# KiCad board JL-rev1.kicad_pcb (continued)
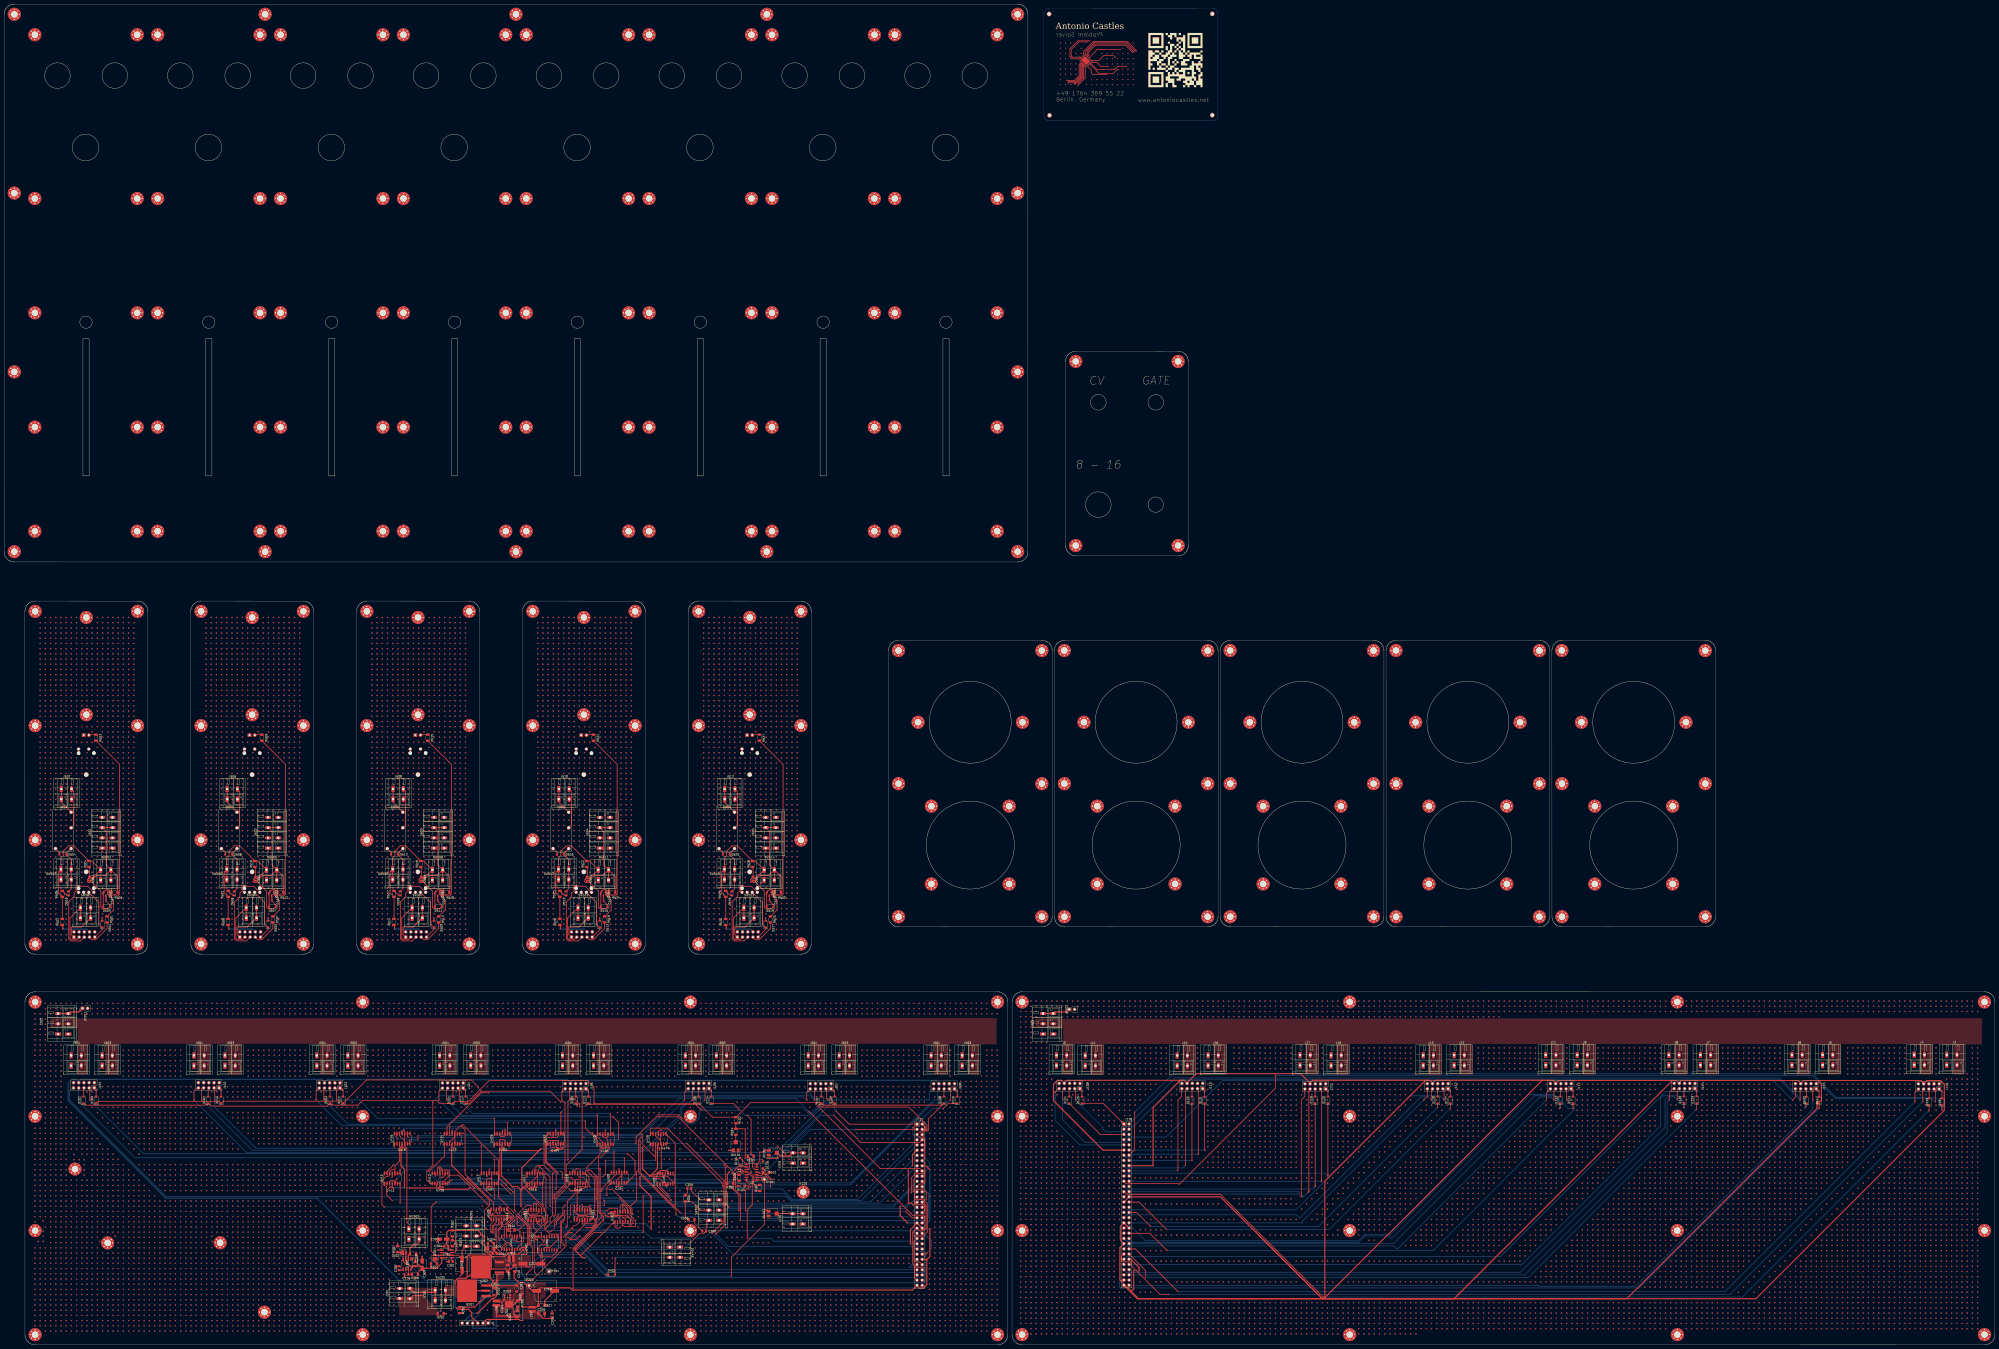
[diagram p0: board, top side]
## Routing (per net, layer and track width the routed paths; a pad name or vN(x,y) marks a point on that pad's centre or on a via; arc(x,y) is an arc through that point) (continued)
 v4(565.02,165.41) v4(565.02,162.87) v4(565.02,160.33) v4(565.02,145.09) v4(565.02,142.55) v4(565.02,140.01) v4(565.02,137.47) v4(565.02,134.93) v4(565.02,132.39) v4(565.02,117.15) v4(565.02,114.61) v4(565.02,112.07) v4(565.02,109.53) v4(565.02,106.99) v4(565.02,104.45) v4(565.02,99.37) v4(565.02,96.83) v4(565.02,91.75) v4(565.02,81.59) v4(565.02,68.89) v4(565.02,61.27) v4(565.02,56.19) v4(565.02,53.65) v4(565.02,46.03) v4(565.02,40.95) v4(565.02,30.79) v4(565.02,20.63) v4(565.02,18.09) v4(565.02,15.55) v4(565.02,13.01) v4(565.02,10.47) v4(565.02,7.93) v4(565.02,5.39) v4(567.56,167.95) v4(567.56,165.41) v4(567.56,162.87) v4(567.56,160.33) v4(567.56,145.09) v4(567.56,142.55) v4(567.56,140.01) v4(567.56,137.47) v4(567.56,134.93) v4(567.56,132.39) v4(567.56,119.69) v4(567.56,117.15) v4(567.56,114.61) v4(567.56,112.07) v4(567.56,109.53) v4(567.56,106.99) v4(567.56,104.45) v4(567.56,99.37) v4(567.56,96.83) v4(567.56,91.75) v4(567.56,81.59) v4(567.56,68.89) v4(567.56,61.27) v4(567.56,53.65) v4(567.56,40.95) v4(567.56,20.63) v4(567.56,18.09) v4(567.56,15.55) v4(567.56,13.01) v4(567.56,10.47) v4(567.56,7.93) v4(567.56,5.39) v4(570.1,167.95) v4(570.1,165.41) v4(570.1,162.87) v4(570.1,160.33) v4(570.1,122.23) v4(570.1,119.69) v4(570.1,117.15) v4(570.1,114.61) v4(570.1,112.07) v4(570.1,109.53) v4(570.1,106.99) v4(570.1,101.91) v4(570.1,99.37) v4(570.1,96.83) v4(570.1,91.75) v4(570.1,81.59) v4(570.1,68.89) v4(570.1,61.27) v4(570.1,53.65) v4(570.1,40.95) v4(570.1,20.63) v4(570.1,18.09) v4(570.1,15.55) v4(570.1,13.01) v4(570.1,10.47) v4(570.1,7.93) v4(570.1,5.39) v4(572.64,167.95) v4(572.64,165.41) v4(572.64,162.87) v4(572.64,160.33) v4(572.64,124.77) v4(572.64,122.23) v4(572.64,81.59) v4(572.64,68.89) v4(572.64,61.27) v4(572.64,53.65) v4(572.64,40.95) v4(572.64,30.79) v4(572.64,20.63) v4(572.64,18.09) v4(572.64,15.55) v4(572.64,13.01) v4(572.64,10.47) v4(572.64,7.93) v4(572.64,5.39) v4(575.18,167.95) v4(575.18,165.41) v4(575.18,162.87) v4(575.18,160.33) v4(575.18,117.15) v4(575.18,114.61) v4(575.18,112.07) v4(575.18,106.99) v4(575.18,104.45) v4(575.18,101.91) v4(575.18,99.37) v4(575.18,96.83) v4(575.18,91.75) v4(575.18,68.89) v4(575.18,61.27) v4(575.18,53.65) v4(575.18,40.95) v4(575.18,30.79) v4(575.18,20.63) v4(575.18,18.09) v4(575.18,15.55) v4(575.18,13.01) v4(575.18,10.47) v4(575.18,7.93) v4(575.18,5.39) v4(577.72,167.95) v4(577.72,165.41) v4(577.72,162.87) v4(577.72,160.33) v4(577.72,68.89) v4(577.72,61.27) v4(577.72,53.65) v4(577.72,40.95) v4(577.72,30.79) v4(577.72,20.63) v4(577.72,18.09) v4(577.72,15.55) v4(577.72,13.01) v4(577.72,10.47) v4(577.72,7.93) v4(577.72,5.39) v4(580.26,167.95) v4(580.26,165.41) v4(580.26,162.87) v4(580.26,160.33) v4(580.26,119.69) v4(580.26,81.59) v4(580.26,68.89) v4(580.26,61.27) v4(580.26,53.65) v4(580.26,40.95) v4(580.26,30.79) v4(580.26,20.63) v4(580.26,18.09) v4(580.26,15.55) v4(580.26,13.01) v4(580.26,10.47) v4(580.26,7.93) v4(580.26,5.39) v4(582.8,167.95) v4(582.8,165.41) v4(582.8,162.87) v4(582.8,160.33) v4(582.8,145.09) v4(582.8,142.55) v4(582.8,140.01) v4(582.8,137.47) v4(582.8,134.93) v4(582.8,81.59) v4(582.8,68.89) v4(582.8,61.27) v4(582.8,53.65) v4(582.8,40.95) v4(582.8,30.79) v4(582.8,20.63) v4(582.8,18.09) v4(582.8,15.55) v4(582.8,13.01) v4(582.8,10.47) v4(582.8,7.93) v4(582.8,5.39) v4(585.34,167.95) v4(585.34,165.41) v4(585.34,162.87) v4(585.34,160.33) v4(585.34,86.67) v4(585.34,81.59) v4(585.34,68.89) v4(585.34,61.27) v4(585.34,53.65) v4(585.34,40.95) v4(585.34,30.79) v4(585.34,20.63) v4(585.34,18.09) v4(585.34,15.55) v4(585.34,13.01) v4(585.34,10.47) v4(585.34,7.93) v4(585.34,5.39) v4(587.88,167.95) v4(587.88,165.41) v4(587.88,162.87) v4(587.88,160.33) v4(587.88,127.31) v4(587.88,124.77) v4(587.88,119.69) v4(587.88,117.15) v4(587.88,114.61) v4(587.88,112.07) v4(587.88,109.53) v4(587.88,106.99) v4(587.88,104.45) v4(587.88,101.91) v4(587.88,99.37) v4(587.88,96.83) v4(587.88,89.21) v4(587.88,86.67) v4(587.88,81.59) v4(587.88,68.89) v4(587.88,61.27) v4(587.88,53.65) v4(587.88,40.95) v4(587.88,30.79) v4(587.88,20.63) v4(587.88,18.09) v4(587.88,15.55) v4(587.88,13.01) v4(587.88,10.47) v4(587.88,7.93) v4(587.88,5.39) v4(590.42,167.95) v4(590.42,165.41) v4(590.42,162.87) v4(590.42,160.33) v4(590.42,127.31) v4(590.42,122.23) v4(590.42,119.69) v4(590.42,117.15) v4(590.42,114.61) v4(590.42,112.07) v4(590.42,109.53) v4(590.42,106.99) v4(590.42,104.45) v4(590.42,101.91) v4(590.42,99.37) v4(590.42,91.75) v4(590.42,89.21) v4(590.42,86.67) v4(590.42,81.59) v4(590.42,68.89) v4(590.42,61.27) v4(590.42,53.65) v4(590.42,40.95) v4(590.42,30.79) v4(590.42,20.63) v4(590.42,18.09) v4(590.42,15.55) v4(590.42,13.01) v4(590.42,10.47) v4(590.42,7.93) v4(590.42,5.39) v4(592.96,167.95) v4(592.96,165.41) v4(592.96,162.87) v4(592.96,160.33) v4(592.96,124.77) v4(592.96,122.23) v4(592.96,119.69) v4(592.96,117.15) v4(592.96,114.61) v4(592.96,112.07) v4(592.96,109.53) v4(592.96,106.99) v4(592.96,104.45) v4(592.96,101.91) v4(592.96,94.29) v4(592.96,91.75) v4(592.96,89.21) v4(592.96,86.67) v4(592.96,81.59) v4(592.96,68.89) v4(592.96,61.27) v4(592.96,53.65) v4(592.96,40.95) v4(592.96,30.79) v4(592.96,20.63) v4(592.96,18.09) v4(592.96,15.55) v4(592.96,13.01) v4(592.96,10.47) v4(592.96,7.93) v4(592.96,5.39) v4(595.5,167.95) v4(595.5,165.41) v4(595.5,162.87) v4(595.5,160.33) v4(595.5,127.31) v4(595.5,124.77) v4(595.5,122.23) v4(595.5,119.69) v4(595.5,117.15) v4(595.5,114.61) v4(595.5,112.07) v4(595.5,109.53) v4(595.5,106.99) v4(595.5,104.45) v4(595.5,96.83) v4(595.5,94.29) v4(595.5,91.75) v4(595.5,89.21) v4(595.5,86.67) v4(595.5,81.59) v4(595.5,61.27) v4(595.5,53.65) v4(595.5,40.95) v4(595.5,30.79) v4(595.5,20.63) v4(595.5,18.09) v4(595.5,15.55) v4(595.5,13.01) v4(595.5,10.47) v4(595.5,7.93) v4(595.5,5.39) v4(598.04,167.95) v4(598.04,165.41) v4(598.04,162.87) v4(598.04,160.33) v4(598.04,127.31) v4(598.04,124.77) v4(598.04,122.23) v4(598.04,119.69) v4(598.04,117.15) v4(598.04,114.61) v4(598.04,112.07) v4(598.04,109.53) v4(598.04,106.99) v4(598.04,99.37) v4(598.04,96.83) v4(598.04,94.29) v4(598.04,91.75) v4(598.04,89.21) v4(598.04,86.67) v4(598.04,81.59) v4(598.04,61.27) v4(598.04,53.65) v4(598.04,40.95) v4(598.04,30.79) v4(598.04,20.63) v4(598.04,18.09) v4(598.04,15.55) v4(598.04,13.01) v4(598.04,10.47) v4(598.04,7.93) v4(598.04,5.39) v4(600.58,167.95) v4(600.58,165.41) v4(600.58,162.87) v4(600.58,160.33) v4(600.58,145.09) v4(600.58,142.55) v4(600.58,140.01) v4(600.58,137.47) v4(600.58,134.93) v4(600.58,127.31) v4(600.58,124.77) v4(600.58,122.23) v4(600.58,119.69) v4(600.58,117.15) v4(600.58,114.61) v4(600.58,112.07) v4(600.58,109.53) v4(600.58,101.91) v4(600.58,99.37) v4(600.58,96.83) v4(600.58,94.29) v4(600.58,91.75) v4(600.58,89.21) v4(600.58,86.67) v4(600.58,81.59) v4(600.58,71.43) v4(600.58,61.27) v4(600.58,53.65) v4(600.58,40.95) v4(600.58,30.79) v4(600.58,20.63) v4(600.58,18.09) v4(600.58,15.55) v4(600.58,13.01) v4(600.58,10.47) v4(600.58,7.93) v4(600.58,5.39) v4(603.12,167.95) v4(603.12,165.41) v4(603.12,162.87) v4(603.12,160.33) v4(603.12,145.09) v4(603.12,142.55) v4(603.12,140.01) v4(603.12,137.47) v4(603.12,134.93) v4(603.12,127.31) v4(603.12,124.77) v4(603.12,122.23) v4(603.12,119.69) v4(603.12,117.15) v4(603.12,114.61) v4(603.12,112.07) v4(603.12,104.45) v4(603.12,101.91) v4(603.12,99.37) v4(603.12,96.83) v4(603.12,94.29) v4(603.12,91.75) v4(603.12,89.21) v4(603.12,86.67) v4(603.12,81.59) v4(603.12,71.43) v4(603.12,68.89) v4(603.12,53.65) v4(603.12,40.95) v4(603.12,30.79) v4(603.12,20.63) v4(603.12,18.09) v4(603.12,15.55) v4(603.12,13.01) v4(603.12,10.47) v4(603.12,7.93) v4(603.12,5.39) v4(605.66,167.95) v4(605.66,165.41) v4(605.66,162.87) v4(605.66,160.33) v4(605.66,145.09) v4(605.66,142.55) v4(605.66,140.01) v4(605.66,137.47) v4(605.66,134.93) v4(605.66,127.31) v4(605.66,124.77) v4(605.66,122.23) v4(605.66,119.69) v4(605.66,117.15) v4(605.66,114.61) v4(605.66,106.99) v4(605.66,104.45) v4(605.66,101.91) v4(605.66,99.37) v4(605.66,96.83) v4(605.66,94.29) v4(605.66,91.75) v4(605.66,89.21) v4(605.66,86.67) v4(605.66,81.59) v4(605.66,71.43) v4(605.66,68.89) v4(605.66,53.65) v4(605.66,40.95) v4(605.66,30.79) v4(605.66,20.63) v4(605.66,18.09) v4(605.66,15.55) v4(605.66,13.01) v4(605.66,10.47) v4(605.66,7.93) v4(605.66,5.39) v4(608.2,167.95) v4(608.2,165.41) v4(608.2,162.87) v4(608.2,160.33) v4(608.2,145.09) v4(608.2,142.55) v4(608.2,140.01) v4(608.2,137.47) v4(608.2,134.93) v4(608.2,127.31) v4(608.2,124.77) v4(608.2,122.23) v4(608.2,119.69) v4(608.2,117.15) v4(608.2,109.53) v4(608.2,106.99) v4(608.2,104.45) v4(608.2,101.91) v4(608.2,99.37) v4(608.2,96.83) v4(608.2,94.29) v4(608.2,91.75) v4(608.2,89.21) v4(608.2,86.67) v4(608.2,81.59) v4(608.2,71.43) v4(608.2,68.89) v4(608.2,53.65) v4(608.2,40.95) v4(608.2,30.79) v4(608.2,20.63) v4(608.2,18.09) v4(608.2,15.55) v4(608.2,13.01) v4(608.2,10.47) v4(608.2,7.93) v4(608.2,5.39) v4(610.74,167.95) v4(610.74,165.41) v4(610.74,162.87) v4(610.74,160.33) v4(610.74,145.09) v4(610.74,142.55) v4(610.74,140.01) v4(610.74,137.47) v4(610.74,134.93) v4(610.74,127.31) v4(610.74,124.77) v4(610.74,122.23) v4(610.74,119.69) v4(610.74,112.07) v4(610.74,109.53) v4(610.74,106.99) v4(610.74,104.45) v4(610.74,101.91) v4(610.74,99.37) v4(610.74,96.83) v4(610.74,94.29) v4(610.74,91.75) v4(610.74,89.21) v4(610.74,86.67) v4(610.74,81.59) v4(610.74,71.43) v4(610.74,68.89) v4(610.74,61.27) v4(610.74,40.95) v4(610.74,30.79) v4(610.74,20.63) v4(610.74,18.09) v4(610.74,15.55) v4(610.74,13.01) v4(610.74,10.47) v4(610.74,7.93) v4(610.74,5.39) v4(613.28,167.95) v4(613.28,165.41) v4(613.28,162.87) v4(613.28,160.33) v4(613.28,145.09) v4(613.28,142.55) v4(613.28,140.01) v4(613.28,137.47) v4(613.28,134.93) v4(613.28,127.31) v4(613.28,124.77) v4(613.28,122.23) v4(613.28,114.61) v4(613.28,112.07) v4(613.28,109.53) v4(613.28,106.99) v4(613.28,104.45) v4(613.28,101.91) v4(613.28,99.37) v4(613.28,96.83) v4(613.28,94.29) v4(613.28,91.75) v4(613.28,89.21) v4(613.28,86.67) v4(613.28,81.59) v4(613.28,71.43) v4(613.28,68.89) v4(613.28,61.27) v4(613.28,40.95) v4(613.28,30.79) v4(613.28,20.63) v4(613.28,18.09) v4(613.28,15.55) v4(613.28,13.01) v4(613.28,10.47) v4(613.28,7.93) v4(613.28,5.39) v4(615.82,167.95) v4(615.82,165.41) v4(615.82,162.87) v4(615.82,160.33) v4(615.82,145.09) v4(615.82,142.55) v4(615.82,140.01) v4(615.82,137.47) v4(615.82,134.93) v4(615.82,127.31) v4(615.82,124.77) v4(615.82,117.15) v4(615.82,114.61) v4(615.82,112.07) v4(615.82,109.53) v4(615.82,106.99) v4(615.82,104.45) v4(615.82,101.91) v4(615.82,99.37) v4(615.82,96.83) v4(615.82,94.29) v4(615.82,91.75) v4(615.82,89.21) v4(615.82,86.67) v4(615.82,81.59) v4(615.82,71.43) v4(615.82,68.89) v4(615.82,61.27) v4(615.82,40.95) v4(615.82,30.79) v4(615.82,20.63) v4(615.82,18.09) v4(615.82,15.55) v4(615.82,13.01) v4(615.82,10.47) v4(615.82,7.93) v4(615.82,5.39) v4(618.36,167.95) v4(618.36,165.41) v4(618.36,162.87) v4(618.36,160.33) v4(618.36,145.09) v4(618.36,142.55) v4(618.36,140.01) v4(618.36,137.47) v4(618.36,134.93) v4(618.36,127.31) v4(618.36,119.69) v4(618.36,117.15) v4(618.36,114.61) v4(618.36,112.07) v4(618.36,109.53) v4(618.36,106.99) v4(618.36,104.45) v4(618.36,101.91) v4(618.36,99.37) v4(618.36,96.83) v4(618.36,94.29) v4(618.36,91.75) v4(618.36,89.21) v4(618.36,86.67) v4(618.36,81.59) v4(618.36,71.43) v4(618.36,68.89) v4(618.36,61.27) v4(618.36,53.65) v4(618.36,40.95) v4(618.36,30.79) v4(618.36,20.63) v4(618.36,18.09) v4(618.36,15.55) v4(618.36,13.01) v4(618.36,10.47) v4(618.36,7.93) v4(618.36,5.39) v4(620.9,167.95) v4(620.9,165.41) v4(620.9,162.87) v4(620.9,160.33) v4(620.9,145.09) v4(620.9,142.55) v4(620.9,140.01) v4(620.9,137.47) v4(620.9,134.93) v4(620.9,122.23) v4(620.9,119.69) v4(620.9,117.15) v4(620.9,114.61) v4(620.9,112.07) v4(620.9,109.53) v4(620.9,106.99) v4(620.9,104.45) v4(620.9,101.91) v4(620.9,99.37) v4(620.9,96.83) v4(620.9,94.29) v4(620.9,91.75) v4(620.9,89.21) v4(620.9,86.67) v4(620.9,81.59) v4(620.9,71.43) v4(620.9,68.89) v4(620.9,61.27) v4(620.9,53.65) v4(620.9,40.95) v4(620.9,30.79) v4(620.9,20.63) v4(620.9,18.09) v4(620.9,15.55) v4(620.9,13.01) v4(620.9,10.47) v4(620.9,7.93) v4(620.9,5.39) v4(623.44,167.95) v4(623.44,165.41) v4(623.44,162.87) v4(623.44,160.33) v4(623.44,145.09) v4(623.44,142.55) v4(623.44,140.01) v4(623.44,137.47) v4(623.44,134.93) v4(623.44,127.31) v4(623.44,124.77) v4(623.44,122.23) v4(623.44,119.69) v4(623.44,117.15) v4(623.44,114.61) v4(623.44,112.07) v4(623.44,109.53) v4(623.44,106.99) v4(623.44,104.45) v4(623.44,101.91) v4(623.44,99.37) v4(623.44,96.83) v4(623.44,94.29) v4(623.44,91.75) v4(623.44,89.21) v4(623.44,86.67) v4(623.44,81.59) v4(623.44,71.43) v4(623.44,68.89) v4(623.44,61.27) v4(623.44,53.65) v4(623.44,30.79) v4(623.44,20.63) v4(623.44,18.09) v4(623.44,15.55) v4(623.44,13.01) v4(623.44,10.47) v4(623.44,7.93) v4(623.44,5.39) v4(625.98,167.95) v4(625.98,165.41) v4(625.98,162.87) v4(625.98,160.33) v4(625.98,145.09) v4(625.98,142.55) v4(625.98,140.01) v4(625.98,137.47) v4(625.98,134.93) v4(625.98,127.31) v4(625.98,124.77) v4(625.98,122.23) v4(625.98,119.69) v4(625.98,117.15) v4(625.98,114.61) v4(625.98,112.07) v4(625.98,109.53) v4(625.98,106.99) v4(625.98,104.45) v4(625.98,101.91) v4(625.98,99.37) v4(625.98,96.83) v4(625.98,94.29) v4(625.98,91.75) v4(625.98,89.21) v4(625.98,86.67) v4(625.98,81.59) v4(625.98,71.43) v4(625.98,68.89) v4(625.98,61.27) v4(625.98,53.65) v4(625.98,30.79) v4(625.98,20.63) v4(625.98,18.09) v4(625.98,15.55) v4(625.98,13.01) v4(625.98,10.47) v4(625.98,7.93) v4(625.98,5.39) v4(628.52,167.95) v4(628.52,165.41) v4(628.52,162.87) v4(628.52,160.33) v4(628.52,145.09) v4(628.52,142.55) v4(628.52,140.01) v4(628.52,137.47) v4(628.52,134.93) v4(628.52,127.31) v4(628.52,124.77) v4(628.52,122.23) v4(628.52,119.69) v4(628.52,117.15) v4(628.52,114.61) v4(628.52,112.07) v4(628.52,109.53) v4(628.52,106.99) v4(628.52,104.45) v4(628.52,101.91) v4(628.52,99.37) v4(628.52,96.83) v4(628.52,94.29) v4(628.52,91.75) v4(628.52,89.21) v4(628.52,86.67) v4(628.52,81.59) v4(628.52,71.43) v4(628.52,68.89) v4(628.52,61.27) v4(628.52,53.65) v4(628.52,30.79) v4(628.52,20.63) v4(628.52,18.09) v4(628.52,15.55) v4(628.52,13.01) v4(628.52,10.47) v4(628.52,7.93) v4(628.52,5.39) v4(631.06,167.95) v4(631.06,165.41) v4(631.06,162.87) v4(631.06,160.33) v4(631.06,127.31) v4(631.06,124.77) v4(631.06,122.23) v4(631.06,119.69) v4(631.06,117.15) v4(631.06,114.61) v4(631.06,112.07) v4(631.06,109.53) v4(631.06,106.99) v4(631.06,104.45) v4(631.06,101.91) v4(631.06,99.37) v4(631.06,96.83) v4(631.06,94.29) v4(631.06,91.75) v4(631.06,89.21) v4(631.06,86.67) v4(631.06,81.59) v4(631.06,68.89) v4(631.06,61.27) v4(631.06,53.65) v4(631.06,40.95) v4(631.06,30.79) v4(631.06,20.63) v4(631.06,18.09) v4(631.06,15.55) v4(631.06,13.01) v4(631.06,10.47) v4(631.06,7.93) v4(631.06,5.39) v4(633.6,167.95) v4(633.6,165.41) v4(633.6,162.87) v4(633.6,160.33) v4(633.6,122.23) v4(633.6,66.35) v4(633.6,53.65) v4(633.6,40.95) v4(633.6,20.63) v4(633.6,18.09) v4(633.6,15.55) v4(633.6,13.01) v4(633.6,10.47) v4(633.6,7.93) v4(633.6,5.39) v4(636.14,167.95) v4(636.14,165.41) v4(636.14,162.87) v4(636.14,160.33) v4(636.14,119.69) v4(636.14,117.15) v4(636.14,114.61) v4(636.14,112.07) v4(636.14,109.53) v4(636.14,106.99) v4(636.14,104.45) v4(636.14,101.91) v4(636.14,99.37) v4(636.14,96.83) v4(636.14,94.29) v4(636.14,91.75) v4(636.14,89.21) v4(636.14,86.67) v4(636.14,81.59) v4(636.14,68.89) v4(636.14,53.65) v4(636.14,40.95) v4(636.14,20.63) v4(636.14,18.09) v4(636.14,15.55) v4(636.14,13.01) v4(636.14,10.47) v4(636.14,7.93) v4(636.14,5.39) v4(638.68,167.95) v4(638.68,165.41) v4(638.68,162.87) v4(638.68,160.33) v4(638.68,122.23) v4(638.68,119.69) v4(638.68,117.15) v4(638.68,114.61) v4(638.68,112.07) v4(638.68,109.53) v4(638.68,106.99) v4(638.68,104.45) v4(638.68,101.91) v4(638.68,99.37) v4(638.68,96.83) v4(638.68,94.29) v4(638.68,91.75) v4(638.68,89.21) v4(638.68,86.67) v4(638.68,81.59) v4(638.68,71.43) v4(638.68,61.27) v4(638.68,53.65) v4(638.68,40.95) v4(638.68,20.63) v4(638.68,18.09) v4(638.68,15.55) v4(638.68,13.01) v4(638.68,10.47) v4(638.68,7.93) v4(638.68,5.39) v4(641.22,167.95) v4(641.22,165.41) v4(641.22,162.87) v4(641.22,160.33) v4(641.22,119.69) v4(641.22,73.97) v4(641.22,63.81) v4(641.22,61.27) v4(641.22,53.65) v4(641.22,40.95) v4(641.22,30.79) v4(641.22,20.63) v4(641.22,18.09) v4(641.22,15.55) v4(641.22,13.01) v4(641.22,10.47) v4(641.22,7.93) v4(641.22,5.39) v4(643.76,167.95) v4(643.76,165.41) v4(643.76,162.87) v4(643.76,160.33) v4(643.76,145.09) v4(643.76,142.55) v4(643.76,140.01) v4(643.76,137.47) v4(643.76,134.93) v4(643.76,76.51) v4(643.76,66.35) v4(643.76,63.81) v4(643.76,53.65) v4(643.76,40.95) v4(643.76,30.79) v4(643.76,20.63) v4(643.76,18.09) v4(643.76,15.55) v4(643.76,13.01) v4(643.76,10.47) v4(643.76,7.93) v4(643.76,5.39) v4(646.3,167.95) v4(646.3,165.41) v4(646.3,162.87) v4(646.3,160.33) v4(646.3,119.69) v4(646.3,79.05) v4(646.3,68.89) v4(646.3,66.35) v4(646.3,58.73) v4(646.3,53.65) v4(646.3,40.95) v4(646.3,30.79) v4(646.3,20.63) v4(646.3,18.09) v4(646.3,15.55) v4(646.3,13.01) v4(646.3,10.47) v4(646.3,7.93) v4(646.3,5.39) v4(648.84,167.95) v4(648.84,165.41) v4(648.84,162.87) v4(648.84,160.33) v4(648.84,127.31) v4(648.84,124.77) v4(648.84,122.23) v4(648.84,119.69) v4(648.84,117.15) v4(648.84,114.61) v4(648.84,112.07) v4(648.84,109.53) v4(648.84,106.99) v4(648.84,104.45) v4(648.84,101.91) v4(648.84,99.37) v4(648.84,96.83) v4(648.84,94.29) v4(648.84,91.75) v4(648.84,89.21) v4(648.84,86.67) v4(648.84,81.59) v4(648.84,71.43) v4(648.84,68.89) v4(648.84,61.27) v4(648.84,53.65) v4(648.84,40.95) v4(648.84,30.79) v4(648.84,20.63) v4(648.84,18.09) v4(648.84,15.55) v4(648.84,13.01) v4(648.84,10.47) v4(648.84,7.93) v4(648.84,5.39) v4(651.38,167.95) v4(651.38,165.41) v4(651.38,162.87) v4(651.38,160.33) v4(651.38,127.31) v4(651.38,124.77) v4(651.38,122.23) v4(651.38,119.69) v4(651.38,117.15) v4(651.38,114.61) v4(651.38,112.07) v4(651.38,109.53) v4(651.38,106.99) v4(651.38,104.45) v4(651.38,101.91) v4(651.38,99.37) v4(651.38,96.83) v4(651.38,94.29) v4(651.38,91.75) v4(651.38,89.21) v4(651.38,84.13) v4(651.38,73.97) v4(651.38,71.43) v4(651.38,63.81) v4(651.38,56.19) v4(651.38,53.65) v4(651.38,40.95) v4(651.38,20.63) v4(651.38,18.09) v4(651.38,15.55) v4(651.38,13.01) v4(651.38,10.47) v4(651.38,7.93) v4(651.38,5.39) v4(653.92,162.87) v4(653.92,160.33) v4(653.92,127.31) v4(653.92,124.77) v4(653.92,122.23) v4(653.92,119.69) v4(653.92,117.15) v4(653.92,106.99) v4(653.92,104.45) v4(653.92,101.91) v4(653.92,99.37) v4(653.92,96.83) v4(653.92,94.29) v4(653.92,91.75) v4(653.92,86.67) v4(653.92,76.51) v4(653.92,73.97) v4(653.92,66.35) v4(653.92,40.95) v4(653.92,20.63) v4(653.92,18.09) v4(653.92,15.55) v4(653.92,13.01) v4(653.92,10.47) v4(656.46,162.87) v4(656.46,160.33) v4(656.46,127.31) v4(656.46,124.77) v4(656.46,122.23) v4(656.46,119.69) v4(656.46,117.15) v4(656.46,106.99) v4(656.46,104.45) v4(656.46,101.91) v4(656.46,99.37) v4(656.46,96.83) v4(656.46,94.29) v4(656.46,89.21) v4(656.46,79.05) v4(656.46,76.51) v4(656.46,68.89) v4(656.46,61.27) v4(656.46,40.95) v4(656.46,30.79) v4(656.46,20.63) v4(656.46,18.09) v4(656.46,15.55) v4(656.46,13.01) v4(656.46,10.47) v4(659,162.87) v4(659,160.33) v4(659,145.09) v4(659,142.55) v4(659,140.01) v4(659,137.47) v4(659,134.93) v4(659,127.31) v4(659,124.77) v4(659,122.23) v4(659,119.69) v4(659,117.15) v4(659,106.99) v4(659,104.45) v4(659,101.91) v4(659,99.37) v4(659,96.83) v4(659,91.75) v4(659,81.59) v4(659,79.05) v4(659,71.43) v4(659,63.81) v4(659,61.27) v4(659,40.95) v4(659,30.79) v4(659,20.63) v4(659,18.09) v4(659,15.55) v4(659,13.01) v4(659,10.47) v4(661.54,167.95) v4(661.54,165.41) v4(661.54,162.87) v4(661.54,160.33) v4(661.54,145.09) v4(661.54,142.55) v4(661.54,140.01) v4(661.54,137.47) v4(661.54,134.93) v4(661.54,127.31) v4(661.54,124.77) v4(661.54,122.23) v4(661.54,119.69) v4(661.54,117.15) v4(661.54,114.61) v4(661.54,112.07) v4(661.54,109.53) v4(661.54,106.99) v4(661.54,104.45) v4(661.54,101.91) v4(661.54,99.37) v4(661.54,94.29) v4(661.54,84.13) v4(661.54,81.59) v4(661.54,73.97) v4(661.54,66.35) v4(661.54,63.81) v4(661.54,61.27) v4(661.54,58.73) v4(661.54,56.19) v4(661.54,53.65) v4(661.54,30.79) v4(661.54,20.63) v4(661.54,18.09) 